# Altium PCB mppt.PcbDoc (part 3 of 5)
Units mm, origin at the board's own origin, x right, y up, seen from the top; angles counter-clockwise.
Board outline 161 x 166 mm, 6 copper layers (Top Layer, Layer 1, Layer 2, Layer 3, Layer 4, Bottom Layer), stack 0.815 mm thick; 460 components, 230 nets, 1421 pads, 2551 vias.
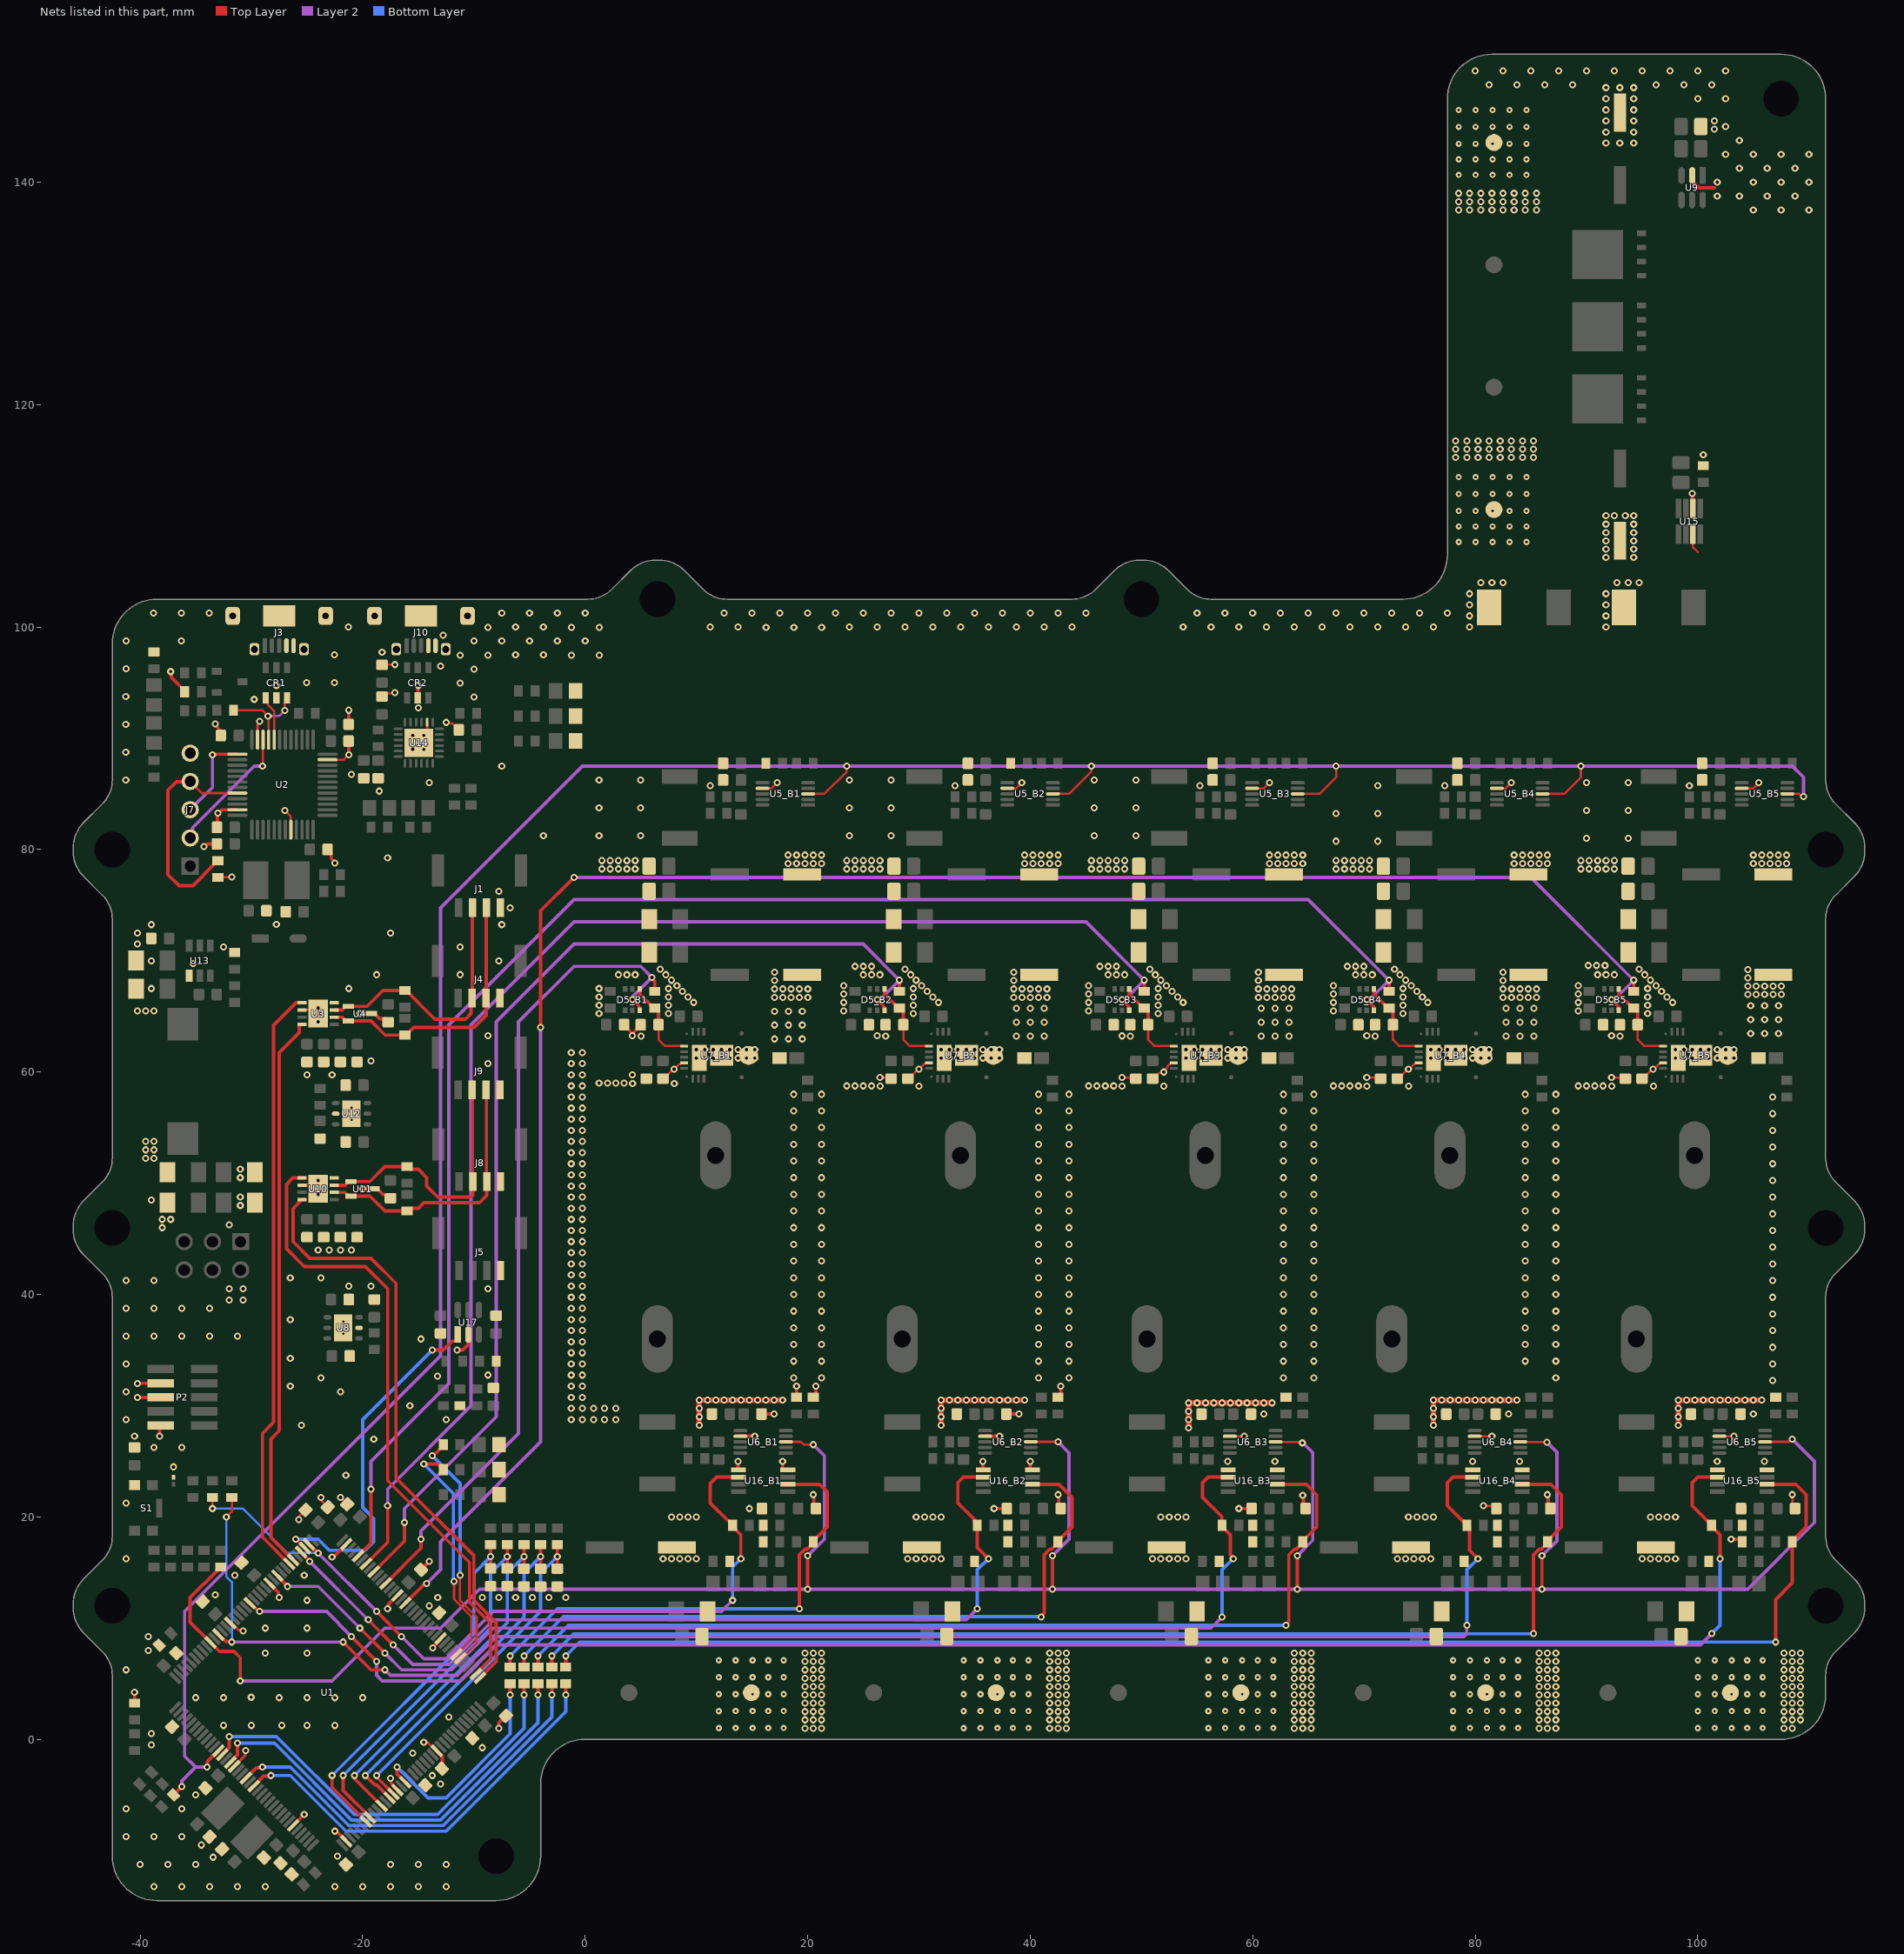
[diagram p7: the nets of this part, all layers, seen from the top]

## Via types
v1: diameter 0.635, hole 0.305, Top Layer to Bottom Layer, tented both sides, 2197 vias
v2: diameter 0.559, hole 0.203, Top Layer to Bottom Layer, tented both sides, 350 vias
v3: diameter 0.5, hole 0.2, Top Layer to Bottom Layer, 4 vias

## Nets (pads, with @x,y where several pads share a name; then routed paths per layer and width w, separated by ;. In a path a pad name is that pad's centre, name@x,y a point inside that pad or via, vN(x,y) a via of type N, cw(c..) or ccw(c..) an arc to the next point about the centre after c; other vN are vias at no path point) (continued)
ACTIVE: R75.1 U1.78 | length 22.1
  Top Layer w0.203: U1.78@-11.25,7.25 -11.153,7.25 -9.75,8.653 -9.75,11 -11.243,12.493 -11.243,14.743 v1(-11.25,14.75)
  Top Layer w0.3: v1(-13.75,25.5) -13.686,25.564 -13.586,25.564 -12.75,26.4 R75.1@-12.75,26.5
  Bottom Layer w0.3: v1(-13.75,25.5) -11.25,23 v1(-11.25,14.75)
ADC_I_IND_1: R10.2 U1.53 | length 19.9
  Top Layer w0.3: v1(-16.9,-2.477) -16.9,-3.11 U1.53@-16.167,-3.843 ; v1(-6.75,4) R10.2@-6.75,5
  Bottom Layer w0.3: v1(-16.9,-2.477) -14.127,-5.25 -12.5,-5.25 -6.75,0.5 v1(-6.75,4)
ADC_I_IND_2: R17.2 U1.13 | length 38.5
  Top Layer w0.3: U1.13@-32.608,-1.368 -32.608,-1.329 -32,-0.722 v1(-32,0.25) ; v1(-5.5,4) R17.2@-5.5,5
  Bottom Layer w0.3: v1(-32,0.25) -27.75,0.25 -20.75,-6.75 -13.25,-6.75 -5.5,1 v1(-5.5,4)
ADC_I_IND_3: R18.2 U1.15 | length 39
  Top Layer w0.3: U1.15@-31.9,-2.076 -31.9,-2.036 -31.25,-1.386 v1(-31.25,-0.345) ; v1(-4.25,4) R18.2@-4.25,5
  Bottom Layer w0.3: v1(-31.25,-0.345) -27.905,-0.345 -21,-7.25 -13,-7.25 -4.25,1.5 v1(-4.25,4)
ADC_I_IND_4: R19.2 U1.19 | length 37.1
  Top Layer w0.3: U1.19@-30.486,-3.49 -30.486,-3.488 -29.562,-2.564 -29.064,-2.564 v1(-29,-2.5) ; v1(-3,4) R19.2@-3,5
  Bottom Layer w0.3: v1(-29,-2.5) -26.5,-2.5 -21.25,-7.75 -12.75,-7.75 -3,2 v1(-3,4)
ADC_I_IND_5: R20.2 U1.21 | length 37.4
  Top Layer w0.3: U1.21@-29.779,-4.197 -28.896,-3.314 -28.314,-3.314 v1(-28.25,-3.25) ; v1(-1.75,4) R20.2@-1.75,5
  Bottom Layer w0.3: v1(-28.25,-3.25) -26.5,-3.25 -21.5,-8.25 -12.5,-8.25 -1.75,2.5 v1(-1.75,4)
ADC_NTC_1: C76.2 R21.2 U1.50 | length 30.8
  Top Layer w0.3: v1(-18.75,-3.25) -18.686,-3.314 -18.686,-3.446 U1.50@-17.228,-4.904 ; C76.2@-2.5,15.35 v1(-2.5,16.425) R21.2@-2.5,17.5
  Bottom Layer w0.3: v1(-18.75,-3.25) -4,11.5 -4,14.925 v1(-2.5,16.425)
ADC_NTC_2: C89.2 R22.2 U1.49 | length 31.3
  Top Layer w0.3: v1(-19.75,-3.25) -18.899,-4.101 -18.738,-4.101 U1.49@-17.582,-5.258 ; C89.2@-4,15.35 v1(-4,16.425) R22.2@-4,17.5
  Bottom Layer w0.3: v1(-19.75,-3.25) -5.5,11 -5.5,14.925 v1(-4,16.425)
ADC_NTC_3: C90.2 R23.2 U1.47 | length 31.9
  Top Layer w0.3: v1(-20.75,-3.25) -20.686,-3.314 -20.686,-3.567 U1.47@-18.289,-5.965 ; C90.2@-5.5,15.35 v1(-5.5,16.425) R23.2@-5.5,17.5
  Bottom Layer w0.3: v1(-20.75,-3.25) -7,10.5 -7,14.925 v1(-5.5,16.425)
ADC_NTC_4: C91.2 R24.2 U1.44 | length 32.7
  Top Layer w0.3: v1(-21.75,-3.25) -21.75,-4.585 -19.349,-6.986 U1.44@-19.349,-7.025 ; C91.2@-7,15.363 v1(-7,16.431) R24.2@-7,17.5
  Bottom Layer w0.3: v1(-21.75,-3.25) -8.5,10 -8.5,14.931 v1(-7,16.431)
ADC_NTC_5: C92.2 R25.2 U1.43 | length 33.1
  Top Layer w0.3: v1(-22.75,-3.25) -22.75,-4.332 U1.43@-19.703,-7.379 ; C92.2@-8.5,15.363 v1(-8.5,16.431) R25.2@-8.5,17.5
  Bottom Layer w0.3: v1(-22.75,-3.25) -10,9.5 -10,14.931 v1(-8.5,16.431)
ALERT1: R48.1 U1.135 U6_B1.3 U6_B2.3 U6_B3.3 U6_B4.3 U6_B5.3 | length 238.8
  Top Layer w0.203: U6_B1.3@18.051,26.75 19.383,26.75 19.633,26.5 v1(20.5,26.5) ; U6_B2.3@40.051,26.75 v1(42.5,26.75) ; U6_B3.3@62.051,26.75 62.072,26.729 64.384,26.729 v1(64.46,26.653) ; U6_B4.3@84.051,26.75 84.072,26.729 86.424,26.729 v1(86.452,26.702) ; U6_B5.3@106.051,26.75 108.165,26.75 108.415,27 v1(108.5,27)
  Top Layer w0.3: R48.1@-32.75,15.5 -32.85,15.5 -33.1,15.25 -33.1,15.15 -35.5,12.75 -35.5,10.54 U1.135@-33.668,8.708 -32.874,7.914 -31.573,7.914 -31,7.341 v1(-31,5.25) ; v1(20,13.5) v1(20,16.5) ; v1(42,13.5) v1(42,16.5) ; v1(64,13.5) v1(64,16.5) ; v1(86,13.5) v1(86,16.5)
  Layer 2 w0.3: v1(-31,5.25) -22.75,5.25 -18,10 -13,10 -9.5,13.5 v1(20,13.5) v1(42,13.5) v1(64,13.5) v1(86,13.5) 104.5,13.5 110.5,19.5 110.5,25 v1(108.5,27) ; v1(20,16.5) 21.5,18 21.5,25.5 v1(20.5,26.5) ; v1(42,16.5) 43.5,18 43.5,25.75 v1(42.5,26.75) ; v1(64,16.5) 65.403,17.903 65.403,25.778 64.528,26.653 v1(64.46,26.653) ; v1(86,16.5) 87.345,17.845 87.345,25.809 v1(86.452,26.702)
ALERT2: R96.1 U1.12 U5_B1.3 U5_B2.3 U5_B3.3 U5_B4.3 U5_B5.3 | length 244.6
  Top Layer w0.203: U5_B1.3@20.051,85 21.5,85 23.5,87 v1(23.5,87.5) ; U5_B2.3@42.051,85 43.5,85 45.5,87 v1(45.5,87.5) ; U5_B3.3@64.051,85 66,85 67.5,86.5 v1(67.5,87.5) ; U5_B4.3@86.051,85 88,85 89.5,86.5 v1(89.5,87.5) ; U5_B5.3@108.051,85 109.133,85 109.383,84.75 v1(109.5,84.75)
  Top Layer w0.3: R96.1@-37,-5 v1(-36.25,-4.25) ; v1(-34,-2.5) -33.936,-2.436 -33.936,-1.99 U1.12@-32.961,-1.015
  Layer 2 w0.3: v1(-36.25,-4.25) -36.25,-3.75 -35,-2.5 ; v1(-34,-2.5) -35,-2.5 ; v1(109.5,84.75) 109.5,86.5 108.5,87.5 v1(89.5,87.5) v1(67.5,87.5) v1(45.5,87.5) v1(23.5,87.5) -0.25,87.5 -13,74.75 -13,34.5 -36,11.5 -36,-1.5 -35,-2.5
B0: J7.4 R37.1 U2.44 | length 20.5
  Top Layer w0.203: J7.4@-35.5,86.12 -34.455,85.075 U2.44@-31.25,85.075
  Top Layer w0.3: J7.4@-35.5,86.12 -35.521,86.099 -36.725,86.099 -37.5,85.324 -37.5,77.75 -36.5,76.75 -35.25,76.75 -33.35,78.65 -33.35,78.75 -33.1,79 R37.1@-33,79
CAN1_H: J1.2 J4.2 R2.2 U3.7 U4.1 | length 23.9
  Top Layer w0.3: U3.7@-22.552,65.575 -21.825,65.575 -21.649,65.751 -21.649,65.821 -21.571,65.9 -19.6,65.9 -18.175,67.325 R2.2@-16.198,67.325 -16.098,67.325 -13.523,64.75 -10.75,64.75 -10.25,65.25 -10.25,66.55 J4.2@-10.15,66.65 -10.137,66.663 -10.137,74.761 J1.2@-10.125,74.773
CAN1_L: J1.3 J4.3 R3.1 U3.6 U4.2 | length 24.8
  Top Layer w0.3: U3.6@-22.552,64.925 -21.825,64.925 -21.649,64.749 -21.649,64.679 -21.571,64.6 -19.253,64.6 -17.978,63.325 R3.1@-16.198,63.325 -16.098,63.325 -15.423,64 -10,64 -8.9,65.1 J4.3@-8.9,66.65 -8.888,66.663 -8.888,74.761 J1.3@-8.875,74.773
CAN2_H: J8.2 J9.2 R50.2 U10.7 U11.1 | length 24.1
  Top Layer w0.3: U10.7@-22.302,49.825 -21.575,49.825 -21.399,50.001 -21.399,50.071 -21.321,50.15 U11.1@-21.041,50.15 -19.35,50.15 -18,51.5 R50.2@-16,51.5 -15.75,51.25 -15,51.25 -14.25,50.5 -14.25,49.75 -13.25,48.75 -10.276,48.75 -10.1,48.926 J8.2@-10.1,50.15 -10.125,50.175 -10.125,58.375 J9.2@-10.15,58.4
CAN2_L: J8.3 J9.3 R51.1 U10.6 U11.2 | length 24.3
  Top Layer w0.3: U10.6@-22.302,49.175 -21.575,49.175 -21.399,48.999 -21.399,48.929 -21.321,48.85 U11.2@-21.041,48.85 -19.35,48.85 -18,47.5 R51.1@-16,47.5 -15.75,47.75 -15,47.75 -14.5,48.25 -9.5,48.25 -8.85,48.9 J8.3@-8.85,50.15 -8.875,50.175 -8.875,58.375 J9.3@-8.9,58.4
CLK: J7.3 U2.37 | length 8
  Top Layer w0.3: v1(-33.5,88.5) -33.409,88.5 -33.334,88.575 U2.37@-31.25,88.575
  Layer 2 w0.3: J7.3@-35.5,83.58 -33.5,85.58 v1(-33.5,88.5)
D_N: CR1.1 U2.32 | length 4.1
  Top Layer w0.203: CR1.1@-28.7,93.635 -28.522,93.457 -28.522,93.022 -27.95,92.45 U2.32@-27.95,89.875
D_P: CR1.3 R42.1 U2.33 | length 8.5
  Top Layer w0.203: R42.1@-31.6,92.525 -29.025,92.525 v1(-28.5,92) -28.469,91.969 -28.469,89.894 U2.33@-28.45,89.875 ; v1(-27,92.5) -27,93.122 -26.978,93.145 -26.978,93.522 CR1.3@-26.75,93.75
  Layer 2 w0.203: v1(-28.5,92) -27.5,92 v1(-27,92.5)
DIO: J7.2 U2.34 | length 12
  Top Layer w0.203: v1(-29,87.5) -28.969,87.531 -28.969,89.856 U2.34@-28.95,89.875
  Layer 2 w0.3: J7.2@-35.5,81.04 -35.289,81.251 -35.289,81.961 -29.75,87.5 v1(-29,87.5)
  Bottom Layer w0.3: J7.2@-35.5,81.04 J7.2@-35.48,81.04 ; v1@-29.02,87.5 v1(-29,87.5)
EEV1: U1.111 U17.1 | length 32.2
  Top Layer w0.3: v1(-26,18) -25.995,18 -25.25,17.255 U1.111@-25.25,17.25 ; v1(-13.75,35) -12.75,35 -11.953,35.797 -11.585,35.797 -11.45,35.932 U17.1@-11.45,36.4
  Bottom Layer w0.3: v1(-26,18) -24,18 -23,17 -19.75,17 -19,17.75 -19,19.838 -20,20.838 -20,28.75 v1(-13.75,35)
ERR: R76.2 U1.79 | length 21.3
  Top Layer w0.203: v1(-11.789,14.211) -11.782,14.204 -11.782,12.6 -10.25,11.069 -10.25,8.968 U1.79@-11.468,7.75
  Top Layer w0.3: v1(-14.5,24.75) -13.25,24.75 -13.1,24.6 -13,24.6 -12.75,24.35 R76.2@-12.75,24.25
  Bottom Layer w0.3: v1(-14.5,24.75) -11.845,22.094 -11.845,14.267 v1(-11.789,14.211)
FDCAN1_RX: U1.114 U3.4 | length 50.3
  Top Layer w0.3: U1.114@-26.244,16.132 -28.25,18.139 -28.25,27 -27.5,27.75 -27.5,61.75 -25.704,63.546 -25.704,64.273 -25.702,64.275 U3.4@-25.448,64.275
FDCAN1_TX: U1.115 U3.1 | length 53.2
  Top Layer w0.3: U1.115@-26.597,15.779 -29,18.182 -29,27.5 -28,28.5 -28,64.21 -25.988,66.223 -25.45,66.223 U3.1@-25.448,66.225
FDCAN2_RX: U1.73 U10.4 | length 55
  Top Layer w0.3: U10.4@-25.198,48.525 -25.452,48.525 -26.25,47.727 -26.25,44.75 -24.75,43.25 -19.25,43.25 -17,41 -17,23.5 -10,16.5 -10,12.5 -8,10.5 -8,7.015 -9.45,5.565 U1.73@-9.45,5.526
FDCAN2_TX: U1.74 U10.1 | length 57.3
  Top Layer w0.3: U10.1@-25.198,50.475 U10.1@-25.448,50.475 -26.275,50.475 -26.845,49.905 -26.845,44.095 -25.25,42.5 -19.75,42.5 -17.75,40.5 -17.75,23.25 -10.402,15.902 -10.402,12.334 -8.5,10.432 -8.5,7.222 -9.803,5.919 U1.74@-9.803,5.879
FLT_1: R14.1 R16_B1.1 U1.110 U16_B1.6 | length 71.5
  Top Layer w0.203: v1(-33.5,20.75) R14.1@-33.5,21.75
  Top Layer w0.3: U1.110@-24.829,17.547 -24.813,17.547 -24.016,16.75 v1(-24,16.75) ; v1(-18.75,11.5) v1(-16.5,9.25) ; U16_B1.6@13.784,23.575 11.825,23.575 11.25,23 11.25,21.25 12.9,19.6 13,19.6 13.25,19.35 13.25,19.15 14,18.4 v1(14,16.25)
  Layer 2 w0.3: v1(-24,16.75) v1(-18.75,11.5) ; v1(-16.5,9.25) -14.5,7.25 -12.5,7.25 -8.25,11.5 12.25,11.5 v1(13.25,12.5)
  Bottom Layer w0.203: v1(-33.5,20.75) -30.75,20.75 -26.75,16.75 v1(-24,16.75)
  Bottom Layer w0.3: v1(13.25,12.5) 13.25,15.5 v1(14,16.25)
FLT_2: R16_B2.1 U1.112 U16_B2.6 | length 82.4
  Top Layer w0.3: U1.112@-25.536,16.84 -25.536,16.813 -24.75,16.027 v1(-24.75,16) ; v1(-19.5,10.75) v1(-17.25,8.5) ; U16_B2.6@35.784,23.575 34.001,23.575 33.5,23.074 33.5,21.25 35,19.75 35,19.5 R16_B2.1@35.25,19.25 35.25,17.25 v1(36.25,16.25)
  Layer 2 w0.3: v1(-24.75,16) v1(-19.5,10.75) ; v1(-17.25,8.5) -15.5,6.75 -12.25,6.75 -8.25,10.75 34.25,10.75 v1(35.25,11.75)
  Bottom Layer w0.3: v1(35.25,11.75) 35.25,15.25 v1(36.25,16.25)
FLT_3: R16_B3.1 U1.118 U16_B3.6 | length 106.5
  Top Layer w0.3: U1.118@-27.658,14.718 -27.658,14.688 -26.75,13.78 v1(-26.75,13.75) ; v1(-20.25,10) v1(-18,7.75) ; U16_B3.6@57.784,23.575 56.001,23.575 55.5,23.074 55.5,21.75 57.226,20.024 57.226,19.274 R16_B3.1@57.25,19.25 57.25,19.15 58,18.4 58,16.591 58.25,16.341 v1(58.25,16.25)
  Layer 2 w0.3: v1(-26.75,13.75) -24,13.75 v1(-20.25,10) ; v1(-18,7.75) -16.5,6.25 -12,6.25 -8.25,10 56.25,10 v1(57.25,11)
  Bottom Layer w0.3: v1(57.25,11) 57.25,15.25 v1(58.25,16.25)
FLT_4: R15.1 R16_B4.1 U1.133 U16_B4.6 | length 146.4
  Top Layer w0.203: v1(-32.25,20) -31.75,20.5 R15.1@-31.75,21.75
  Top Layer w0.3: U1.133@-32.961,9.415 -32.922,9.415 -32.321,8.814 -31.814,8.814 v1(-31.75,8.75) ; v1(-21.75,8.75) -19.25,6.25 v1(-18,6.25) ; U16_B4.6@79.784,23.575 78.001,23.575 77.5,23.074 77.5,21 78.9,19.6 79,19.6 79.25,19.35 R16_B4.1@79.25,19.25 79.5,19 79.5,17 v1(80.25,16.25)
  Layer 2 w0.3: v1(-31.75,8.75) v1(-21.75,8.75) ; v1(-18,6.25) -17.5,5.75 -11.5,5.75 -8,9.25 79,9.25 79.233,9.483 79.233,10.233 v1(79.25,10.25)
  Bottom Layer w0.203: v1(-32.25,20) -32.25,14.625 -31.75,14.125 v1(-31.75,8.75)
  Bottom Layer w0.3: v1(79.25,10.25) 79.25,15.25 v1(80.25,16.25)
FLT_5: R16_B5.1 U1.125 U16_B5.6 | length 154.2
  Top Layer w0.3: U1.125@-30.133,12.243 -30.093,12.243 -29.414,11.564 -29.314,11.564 v1(-29.25,11.5) ; v1(-21,9.25) v1(-18.75,7) ; U16_B5.6@101.784,23.575 100.001,23.575 99.5,23.074 99.5,21 100.9,19.6 101,19.6 101.25,19.35 101.25,19.15 102,18.4 v1(102,16.25)
  Layer 2 w0.3: v1(-29.25,11.5) -23.25,11.5 v1(-21,9.25) ; v1(-18.75,7) -18.75,5.75 -18.25,5.25 -11.25,5.25 -8,8.5 100,8.5 ; 100.001,8.499 100.249,8.499 v1(101.25,9.5)
  Bottom Layer w0.3: v1(101.25,9.5) 102,10.25 v1(102,16.25)
GND: C1.2 C2.2 C3.1 C4.1 C5.1 C6.1 C7.1 C8.1 C9.1 C10.1 C11.1 C12.1 C13.1 C14.1 C15.1 C16.1 C17.1 C18.1 C19.1 C20.1 C21.1 C22.1 C23_B1.1 C23_B2.1 C23_B3.1 C23_B4.1 C23_B5.1 C24_B1.1 C24_B2.1 C24_B3.1 C24_B4.1 C24_B5.1 C25_B1.1 C25_B2.1 C25_B3.1 C25_B4.1 C25_B5.1 C27_B1.1 C27_B2.1 C27_B3.1 C27_B4.1 C27_B5.1 C28_B1.1 C28_B2.1 C28_B3.1 C28_B4.1 C28_B5.1 C29_B1.2 C29_B2.2 C29_B3.2 C29_B4.2 C29_B5.2 C30_B1.2 C30_B2.2 C30_B3.2 C30_B4.2 C30_B5.2 C31_B1.1 C31_B2.1 C31_B3.1 C31_B4.1 C31_B5.1 C32_B1.1 C32_B2.1 C32_B3.1 C32_B4.1 C32_B5.1 C33_B1.1 C33_B2.1 C33_B3.1 C33_B4.1 C33_B5.1 C34_B1.1 C34_B2.1 C34_B3.1 C34_B4.1 C34_B5.1 C35_B1.1 C35_B2.1 C35_B3.1 C35_B4.1 C35_B5.1 C36_B1.2 C36_B2.2 C36_B3.2 C36_B4.2 C36_B5.2 C37_B1.1 C37_B2.1 C37_B3.1 C37_B4.1 C37_B5.1 C38.1 C39.1 C40.2 C41.1 C42.1 C43.1 C44.1 C45.1 C46.1 C47.1 C48.1 C49.1 C50_B1.1 C50_B2.1 C50_B3.1 C50_B4.1 C50_B5.1 C51_B1.1 C51_B2.1 C51_B3.1 C51_B4.1 C51_B5.1 C52_B1.1 C52_B2.1 C52_B3.1 C52_B4.1 C52_B5.1 C53.1 C54.1 C55.1 C56.1 C57.1 C58.1 C59.1 C60.1 C61.1 C64.1 C65.1 C67.1 C69.2 C70.2 C71.2 C72.2 C73.2 C74.2 C75.2 C76.1 C77.1 C78.1 C79.1 C80.1 C81.1 C82.1 C83.1 C84.1 C87_B1.1 C87_B2.1 C87_B3.1 C87_B4.1 C87_B5.1 C88_B1.1 C88_B2.1 C88_B3.1 C88_B4.1 C88_B5.1 C89.1 C90.1 C91.1 C92.1 C93.1 C94.1 CR1.2 CR2.2 D8.2 D9.K D10.K D11.K D12.K D13.K D14.K D15.2 D17.2 J1.4 J3.4 J3.5 J3.6 J3.7 J4.4 J5.4 J7.5 J8.4 J9.4 J10.4 J10.5 J10.6 J10.7 P2.3 P2.5 P2.9 R12_B1.1 R12_B3.1 R12_B5.1 R13_B1.2 R13_B2.2 R30.1 R34_B1.1 R34_B2.1 R34_B3.1 R34_B4.1 R34_B5.1 R37.2 R41.2 R44.2 R46_B1.2 R46_B2.2 R46_B3.2 R46_B4.2 R46_B5.2 R65.2 R67.2 R71.1 R84_B1.1 R84_B2.1 R84_B3.1 R84_B4.1 R84_B5.1 R85_B1.1 R85_B2.1 R85_B3.1 R85_B4.1 R85_B5.1 R86_B1.1 R86_B2.1 R93.1 R94.1 S1.2 SP2_B1.SP SP2_B2.SP SP2_B3.SP SP2_B4.SP SP2_B5.SP SP4.SP SP6.SP U1.16 U1.31 U1.38 U1.51 U1.61 U1.83 U1.94 U1.107 U1.120 U1.130 U2.8 U2.23 U2.35 U2.47 U3.2 U3.8 U3.9 U4.3 U5_B1.7 U5_B2.7 U5_B3.7 U5_B4.7 U5_B5.7 U6_B1.7 U6_B2.7 U6_B3.7 U6_B4.7 U6_B5.7 U7_B1.6 U7_B1.15 U7_B1.17 U7_B1.18 U7_B2.6 U7_B2.15 U7_B2.17 U7_B2.18 U7_B3.6 U7_B3.15 U7_B3.17 U7_B3.18 U7_B4.6 U7_B4.15 U7_B4.17 U7_B4.18 U7_B5.6 U7_B5.15 U7_B5.17 U7_B5.18 U8.2 U8.7 U9.2 U10.2 U10.8 U10.9 U11.3 U12.2 U12.7 U13.4 U14.2 U14.25 U15.2 U15.7 U16_B1.4 U16_B1.5 U16_B2.4 U16_B2.5 U16_B3.4 U16_B3.5 U16_B4.4 U16_B4.5 U16_B5.4 U16_B5.5 U17.2 | length 177.2
  Top Layer w0.203: R37.2@-33,77.5 -32.975,77.525 v1(-31.75,77.525) ; U1.130@-32,10.5 -31.828,10.5 -31.16,9.833 -30.833,9.833 v1(-30.75,9.75) ; U2.35@-29.45,89.875 -29.45,91.208 -29.25,91.408 v1(-29.25,91.525) ; v1(-27,83.525) -26.45,82.975 U2.8@-26.45,81.775 ; v1(-25.75,19.75) -25.667,19.833 -25.667,20.095 C11.1@-25.131,20.631 ; U3.2@-25.448,65.575 -24.325,65.575 U3.9@-24,65.25 ; v1(-23.75,21.75) -23.667,21.667 -23.667,21.417 C13.1@-23.131,20.881 ; U2.23@-23.15,88.075 -21.7,88.075 v1(-21.25,88.525) ; v1(-22,21.75) C1.2@-21.381,21.131 ; v1(-20.25,65.25) U4.3@-19.209,65.25 ; C81.1@-18.25,93.75 -17.96,94.04 -17.16,94.04 v1(-17.1,94.1) ; C79.1@-18.25,96.6 -18.225,96.625 v1(-17.1,96.625) ; v1(-14.5,-0.25) -14.417,-0.333 -14.082,-0.333 -13.399,-1.015 U1.61@-13.339,-1.015 ; v1(-14.5,90.25) -14.2,90.55 U14.2@-14.2,91.451 ; v1(-12.5,91.425) -12.417,91.342 -11.942,91.342 -11.749,91.149 -11.718,91.149 -11.35,90.781 C80.1@-11.35,90.75 ; C51_B1.1@5.4,59.5 C51_B1.1@5.5,59.4 ; C25_B1.1@7,59.4 7.074,59.4 7.924,60.25 v1(8,60.25) 8.44,60.69 8.54,60.69 8.675,60.825 U7_B1.15@8.9,60.825 ; U5_B1.7@15.949,85.5 16.75,85.5 v1(17.25,86) ; v1(26.5,59.5) 27.4,59.5 C51_B2.1@27.5,59.4 ; C25_B2.1@29,59.4 29.074,59.4 29.924,60.25 v1(30,60.25) 30.403,60.653 30.441,60.653 30.589,60.802 30.877,60.802 U7_B2.15@30.9,60.825 ; U5_B2.7@37.949,85.5 38.75,85.5 v1(39.25,86) ; v1(48.25,59.5) 49.4,59.5 C51_B3.1@49.5,59.4 ; C25_B3.1@51,59.4 51.074,59.4 51.592,59.917 51.917,59.917 v1(52,60) 52,60.117 52.347,60.464 52.347,60.534 52.471,60.658 52.508,60.658 52.675,60.825 U7_B3.15@52.9,60.825 ; U6_B3.7@57.949,27.25 v1(59.25,27.25) ; U5_B3.7@59.949,85.5 61,85.5 v1(61.5,86) ; v1(70.25,59.5) 71.4,59.5 C51_B4.1@71.5,59.4 ; C25_B4.1@73,59.4 73.074,59.4 73.924,60.25 v1(74,60.25) 74.063,60.25 74.466,60.653 74.503,60.653 74.675,60.825 U7_B4.15@74.9,60.825 ; U6_B4.7@79.949,27.25 v1(81.5,27.25) ; v1(80.75,21) 81.65,21 C87_B4.1@81.9,20.75 ; U5_B4.7@81.949,85.5 82.75,85.5 v1(83.25,86) ; v1(92.25,59.5) 93.4,59.5 C51_B5.1@93.5,59.4 ; C25_B5.1@95,59.4 95.074,59.4 95.924,60.25 v1(96,60.25) 96.063,60.25 96.466,60.653 96.503,60.653 96.675,60.825 U7_B5.15@96.9,60.825 ; U15.7@99.575,108.349 99.575,107.175 100,106.75 ; U6_B5.7@101.949,27.25 v1(103.25,27.25) ; U5_B5.7@103.949,85.5 105,85.5 v1(105.5,86) ; v1(108.5,22) 108.51,21.99 108.51,20.99 C88_B5.1@108.75,20.75
  Top Layer w0.3: R67.2@-40.5,3.25 v1(-40.5,4.25) ; v1(-40.25,30.75) P2.5@-38.15,30.75 ; v1(-40.25,32) -40.24,32.01 -38.16,32.01 P2.3@-38.15,32.02 ; v1(-38.25,27.25) -38.25,28.11 P2.9@-38.15,28.21 ; v1(-37.25,96) -37.186,95.936 -37.186,95.461 -36,94.275 R41.2@-36,94.175 ; v1(-34.25,80.275) -34.159,80.275 -33.934,80.5 C44.1@-33.1,80.5 ; v1(-33.25,91.275) -33.186,91.211 -33.186,91.113 -32.45,90.377 C41.1@-32.45,90.325 ; C43.1@-33.1,82 -33.05,82.05 -33.05,83.225 v1(-33,83.275) -32.909,83.275 -32.609,83.575 U2.47@-31.25,83.575 ; U1.16@-31.547,-2.429 -30.564,-1.446 -30.564,-1.064 v1(-30.5,-1) ; U1.120@-28.365,14.011 -27.564,13.21 -27.564,12.814 v1(-27.5,12.75) ; U1.31@-26.244,-7.732 -26.238,-7.732 -25.256,-6.75 v1(-25.25,-6.75) ; U10.2@-25.198,49.825 -24.075,49.825 U10.9@-23.75,49.5 ; C45.1@-23.15,80 -22.828,79.677 -22.828,79.193 -22.5,78.866 v1(-22.5,78.775) ; v1(-22.75,16.405) -22.686,16.47 -22.548,16.47 -21.517,17.5 U1.107@-21.5,17.5 ; v1(-22.5,-8.25) -22.436,-8.314 -22.303,-8.314 U1.38@-21.471,-9.147 ; C46.1@-21.263,89.75 -21.256,89.744 -21.256,88.531 v1(-21.25,88.525) ; C42.1@-21.263,91.25 -21.256,91.256 -21.256,92.519 v1(-21.25,92.525) ; v1(-20,49.5) U11.3@-18.959,49.5 -18.679,49.5 -18.152,48.973 -17.822,48.973 C54.1@-17.5,48.65 ; U4.3@-19.209,65.25 -18.929,65.25 -18.477,64.797 -18.02,64.797 C19.1@-17.698,64.475 ; v1(-17.75,11.75) -17.686,11.814 -17.686,12.139 U1.94@-16.874,12.95 ; v1(-17.5,-3.5) -17.436,-3.564 -17.436,-3.95 -16.874,-4.511 U1.51@-16.874,-4.55 ; CR2.2@-15.05,93.635 -15.025,93.66 -15.025,94.725 v1(-15,94.75) ; C12.1@-14.75,15.25 v1(-14,16) ; v1(-13.711,8.211) -13.711,8.296 -12.985,9.022 U1.83@-12.985,9.061 ; U1.61@-13.339,-1.015 -13.339,-1.054 -12.839,-1.554 -12.839,-2.059 -13,-2.22 C8.1@-13,-2.75 ; v1(-11.5,35) -11,35 -10.504,35.496 -10.504,36.496 U17.2@-10.5,36.5 ; C2.2@-10.14,0.11 C2.2@-10.103,0.072 ; v1(-7.75,1) -7.75,1.487 C10.1@-7.119,2.119 ; C28_B1.1@3.5,64.25 3.5,64.198 4.186,63.512 4.186,63.314 v1(4.25,63.25) 4.314,63.314 4.314,63.512 5,64.198 C27_B1.1@5,64.25 ; v1(10.25,29.75) 10.314,29.686 v1@10.405,29.686 ; C23_B1.1@11.078,29.613 11.4,29.291 C23_B1.1@11.4,29.25 ; v1(13.75,25) 13.75,24.259 U16_B1.5@13.784,24.225 ; U6_B1.7@13.949,27.25 v1(15.25,27.25) ; C50_B1.1@15.85,29.25 v1(17,29.25) ; v1(17.75,25) 17.75,24.291 17.816,24.225 U16_B1.4@18.216,24.225 ; R12_B1.1@19,30.75 v1(19,31.75) ; v1(20.5,22) 20.564,21.936 20.564,20.936 C88_B1.1@20.75,20.75 ; R86_B1.1@20.5,30.75 20.75,31 v1(20.75,31.75) ; v1(32,29.75) 32.064,29.686 v1@32.155,29.686 ; v1(35.75,25) 35.75,24.259 U16_B2.5@35.784,24.225 ; U6_B2.7@35.949,27.25 v1(37.25,27.25) ; v1(36.75,20.75) C87_B2.1@37.9,20.75 ; C50_B2.1@37.85,29.25 v1(39,29.25) ; v1(40,25) 40,24.291 40.066,24.225 U16_B2.4@40.216,24.225 ; v1(42.5,22) 42.564,21.936 42.564,20.936 C88_B2.1@42.75,20.75 ; R86_B2.1@42.5,30.75 42.75,31 v1(42.75,31.75) ; v1(54.25,29.5) 54.314,29.436 v1@54.405,29.436 ; v1(58.75,20.75) C87_B3.1@59.9,20.75 ; v1(64.497,21.951) 64.562,21.887 64.562,20.938 C88_B3.1@64.75,20.75 ; v1(76.25,29.75) 76.314,29.686 v1@76.405,29.686 ; v1(86.5,22) 86.564,21.936 86.564,20.936 C88_B4.1@86.75,20.75 ; v1(98.25,29.75) 98.314,29.686 v1@98.405,29.686 ; v1(99.5,112) 99.538,111.962 99.538,110.688 U15.2@99.575,110.651 ; U9.2@99.5,140.6 99.5,140.133 100.133,139.5 101.5,139.5 ; v1(103,18) 103.75,18 R85_B5.1@104,17.75